# EAGLE board Mk4 Final Panel (EAGLE 9.0.1), part 2 of 18
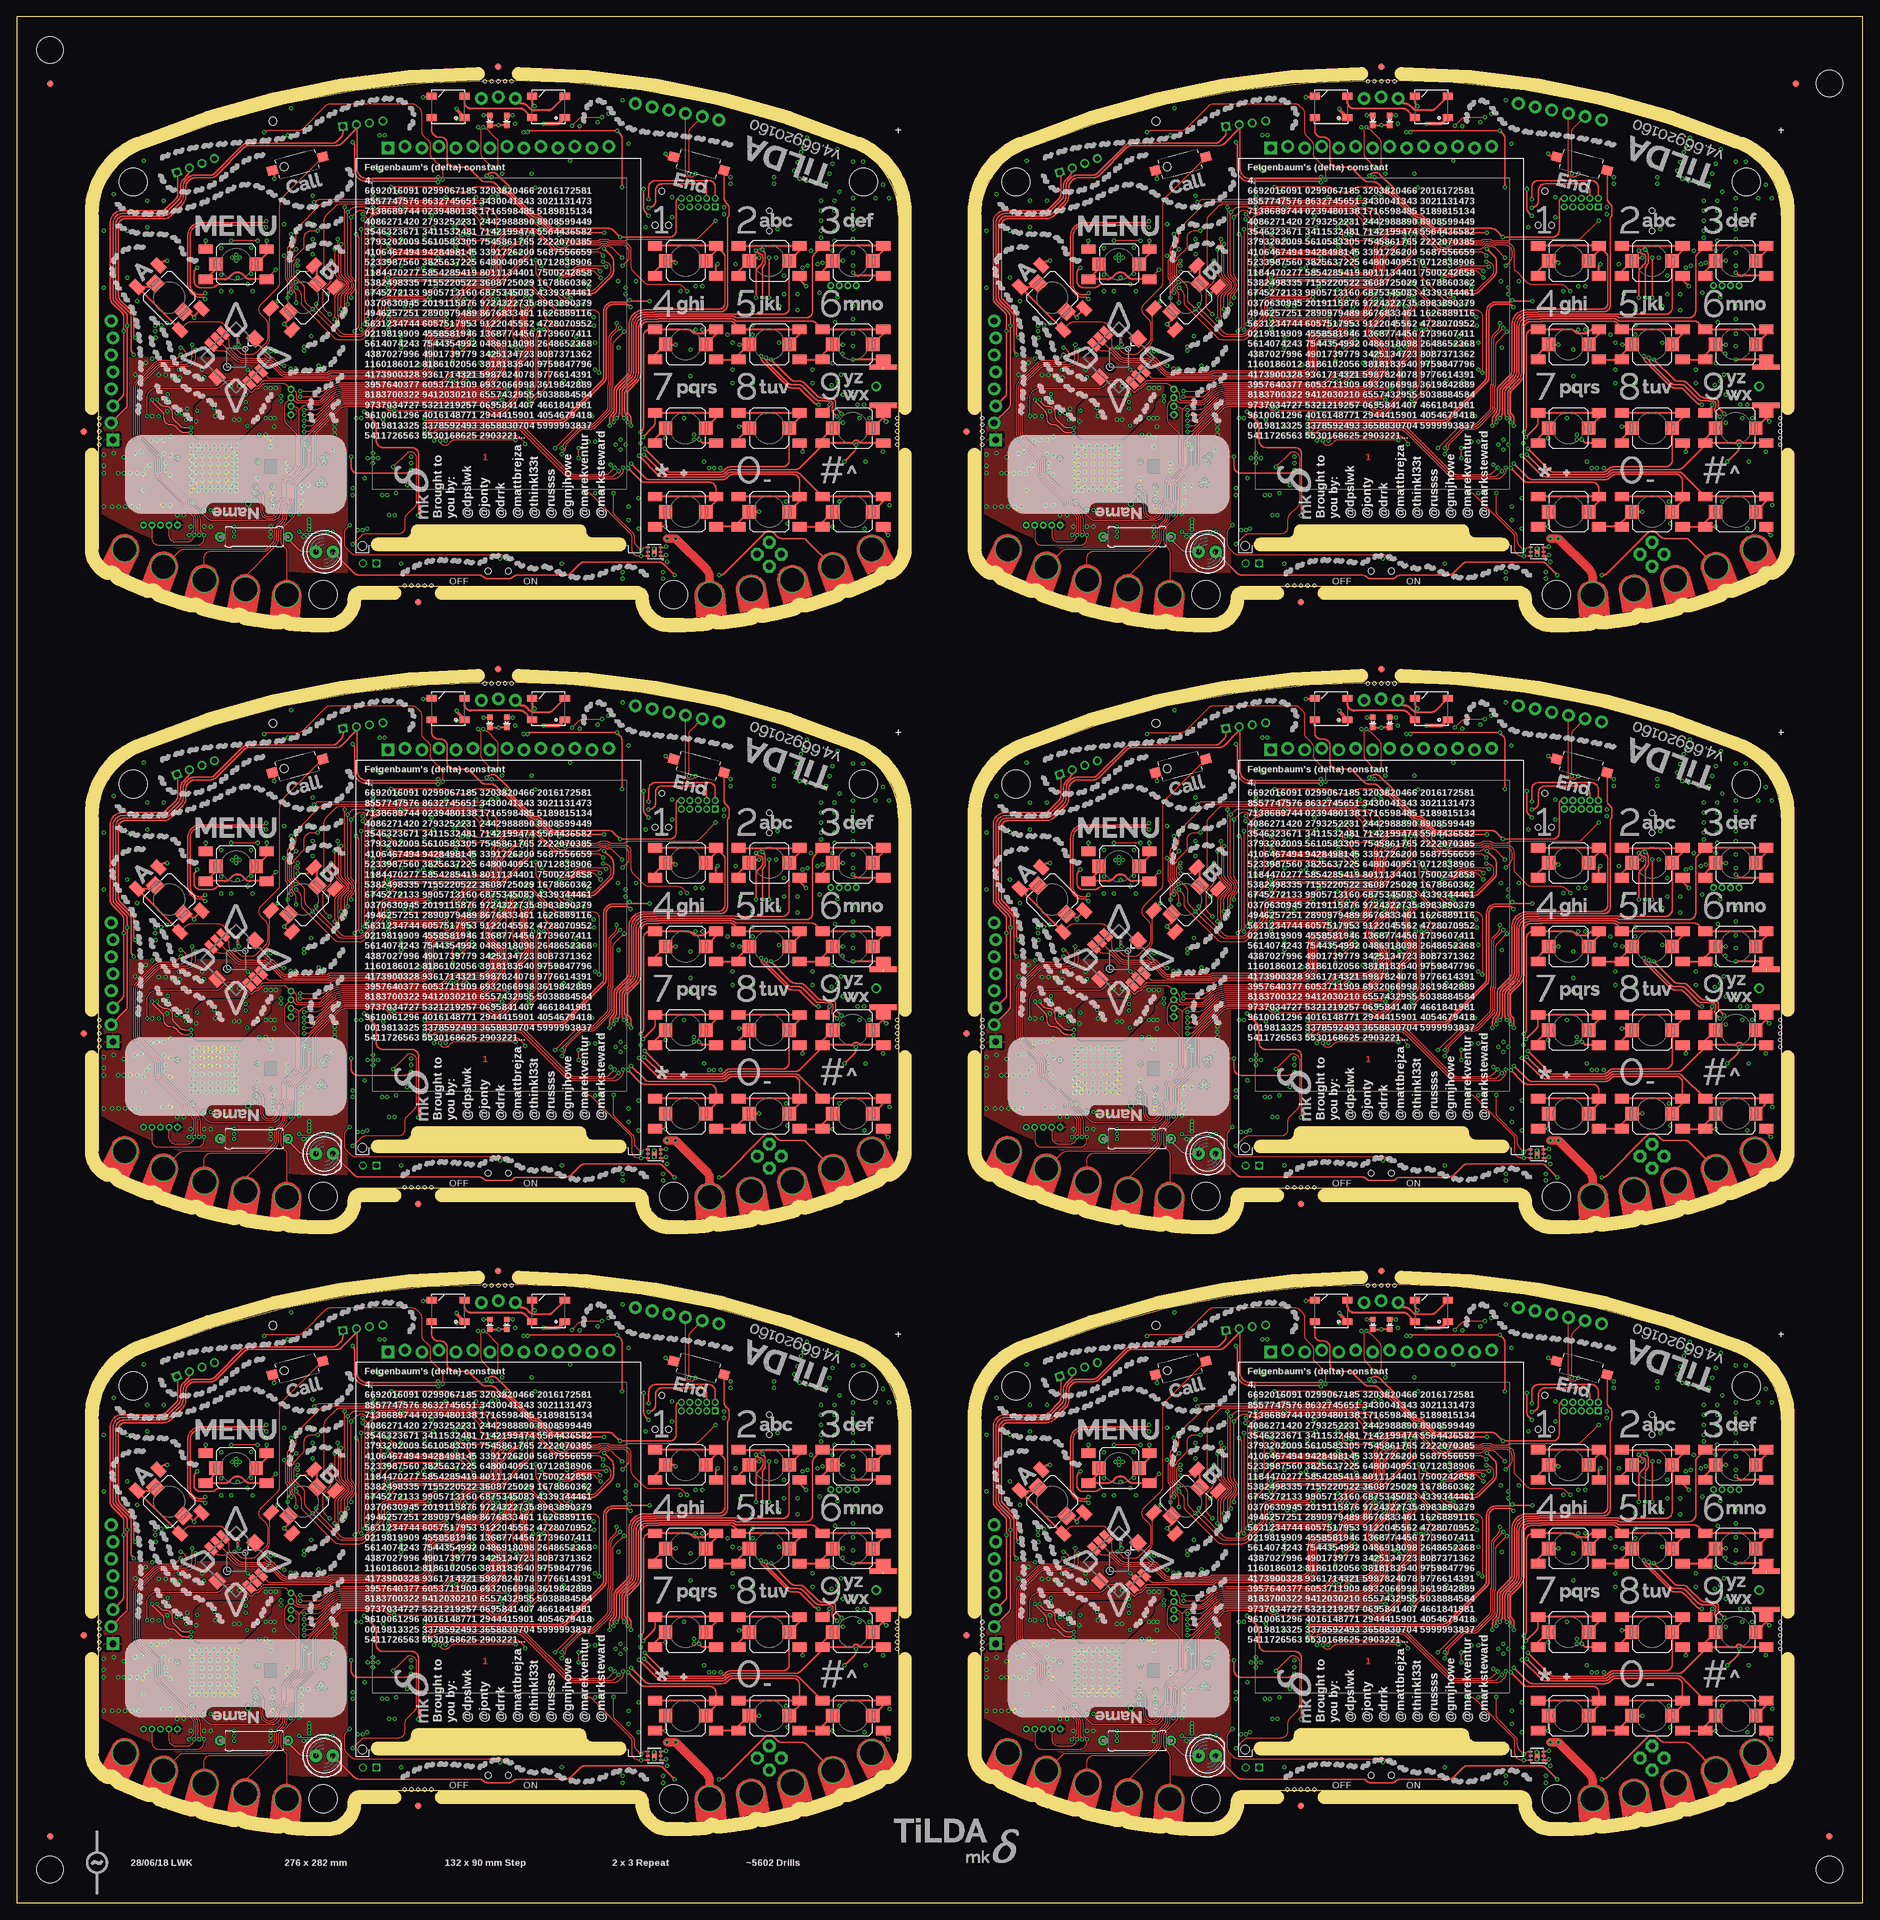
[diagram p0: board, top side]
## Placement (x,y rotation side) (continued)
C527  0402/100n/10V/X5R  [C0402-SMALLER]  36.75,217.75 180 bottom
C528  0402/100n/10V/X5R  [C0402-SMALLER]  37,210.75 180 bottom
C529  0402/100n/10V/X5R  [C0402-SMALLER]  29,207 270 bottom
C530  0402/12p/50V/C0G  [C0402-SMALLER]  22.95,212.25 270 bottom
C531  0402/12p/50V/C0G  [C0402-SMALLER]  22.95,210.25 90 bottom
C532  0402/12p/50V/C0G  [C0402-SMALLER]  39.75,213.75 270 bottom
C533  0402/12p/50V/C0G  [C0402-SMALLER]  39.75,215.75 90 bottom
C534  0402/100n/10V/X5R  [C0402-SMALLER]  87,211.5 180 bottom
C535  0402/120p/50V/C0G  [C0402-SMALLER]  39.95,206.35 270 bottom
C536  0402/100n/10V/X5R  [C0402-SMALLER]  96.25,202 90 bottom
C537  0402/220n/6V3/X5R  [C0402-SMALLER]  35.95,252.4 180 bottom
C538  0402/220n/6V3/X5R  [C0402-SMALLER]  36,249.5 180 bottom
C539  0402/100n/10V/X5R  [C0402-SMALLER]  91.35,198.5 270 bottom
C540  0402/100n/10V/X5R  [C0402-SMALLER]  98,201.5 270 bottom
C541  0603/4u7/10V/X5R  [C0603K-SMALL]  195.75,232.25 180 bottom
C542  0402/100n/10V/X5R  [C0402-SMALLER]  195.75,231 180 bottom
C543  0603/1u/6V3/X5R  [C0603K-SMALL]  198.75,267.5 270 bottom
C544  0402/100n/10V/X5R  [C0402-SMALLER]  213.75,238.25 0 bottom
C545  0402/100n/10V/X5R  [C0402-SMALLER]  206.5,264.75 270 bottom
C546  0402/100n/10V/X5R  [C0402-SMALLER]  213.5,260.5 0 bottom
C547  0402/100n/10V/X5R  [C0402-SMALLER]  222.45,262.5 270 bottom
C548  0603/2u2/6V3/X5R  [C0603K-SMALL]  215,243.5 0 bottom
C549  0603/1u/6V3/X5R  [C0603K-SMALL]  215,242.25 0 bottom
C550  0402/100n/10V/X5R  [C0402-SMALLER]  205.75,255 270 bottom
C551  0402/100n/10V/X5R  [C0402-SMALLER]  213.5,245.25 90 bottom
C552  0402/100n/10V/X5R  [C0402-SMALLER]  194.75,244.6 270 bottom
C553  0402/100n/10V/X5R  [C0402-SMALLER]  203.5,254.25 0 bottom
C554  0402/100n/10V/X5R  [C0402-SMALLER]  204,235.5 180 bottom
C555  0402/100n/10V/X5R  [C0402-SMALLER]  206.75,235.5 180 bottom
C556  0603/1u/6V3/X5R  [C0603K-SMALL]  206.75,233.75 180 bottom
C557  0402/100n/10V/X5R  [C0402-SMALLER]  202.5,256.25 0 bottom
C558  0402/12p/50V/C0G  [C0402-SMALLER]  206.25,256.45 180 bottom
C559  0402/12p/50V/C0G  [C0402-SMALLER]  208.25,256.45 0 bottom
C560  0402/12p/50V/C0G  [C0402-SMALLER]  197.4,255 180 bottom
C561  0402/12p/50V/C0G  [C0402-SMALLER]  199.4,255 0 bottom
C562  0603/3n3/50V/X7R  [C0603K-SMALL]  220.5,269.5 90 bottom
C563  0402/100n/10V/X5R  [C0402-SMALLER]  218,217.75 180 bottom
C564  0402/100n/10V/X5R  [C0402-SMALLER]  188.25,253.5 0 bottom
C565  0402/100n/10V/X5R  [C0402-SMALLER]  188.25,248.75 0 bottom
C566  0402/100n/10V/X5R  [C0402-SMALLER]  173.25,246.25 180 bottom
C567  0402/100n/10V/X5R  [C0402-SMALLER]  188.25,244.75 0 bottom
C568  0402/100n/10V/X5R  [C0402-SMALLER]  188.25,255 0 bottom
C569  0402/100n/10V/X5R  [C0402-SMALLER]  173.25,251 180 bottom
C570  0402/100n/10V/X5R  [C0402-SMALLER]  188.25,234.25 0 bottom
C571  1411/100u/10V/Tant  [CT3528]  240.25,217.5 90 bottom
C572  0603/4u7/10V/X5R  [C0603K-SMALL]  245.5,219.75 180 bottom
C573  0402/100n/10V/X5R  [C0402-SMALLER]  247.25,222.75 180 bottom
C574  1411/100u/10V/Tant  [CT3528]  236.5,217.5 90 bottom
C575  0805/10u/10V/X5R  [C0805-N]  176.45,210.75 0 bottom
C576  0603/4u7/10V/X5R  [C0603K-SMALL]  177.45,206.35 90 bottom
C577  0805/10u/10V/X5R  [C0805-N]  176.45,208.75 0 bottom
C578  0805/10u/10V/X5R  [C0805-N]  225,207.75 270 bottom
C579  0805/10u/10V/X5R  [C0805-N]  187.75,212 180 bottom
C580  0805/10u/10V/X5R  [C0805-N]  180.75,218.5 90 bottom
C581  0603/4u7/10V/X5R  [C0603K-SMALL]  180.2,216.25 180 bottom
C582  0402/47n/10V/X5R  [C0402-SMALLER]  180.75,215.25 0 bottom
C583  0805/10u/10V/X5R  [C0805-N]  184.25,211 0 bottom
C584  0603/1u/6V3/X5R  [C0603K-SMALL]  181.75,220.75 0 bottom
C585  1210/100u/6V3/X5R  [C1210K]  170,229.25 270 bottom
C586  1210/100u/6V3/X5R  [C1210K]  167.25,205 0 bottom
C587  0402/22p/10V/C0G  [C0402-SMALLER]  245.5,244.5 270 bottom
C588  0402/22p/10V/C0G  [C0402-SMALLER]  242.5,244.5 270 bottom
C589  0402/22p/10V/C0G  [C0402-SMALLER]  240.5,244.5 270 bottom
C590  0402/100n/10V/X5R  [C0402-SMALLER]  259.25,206.25 180 bottom
C591  0402/33p/50V/C0G  [C0402-SMALLER]  242,258 0 bottom
C592  0402/10p/50V/C0G  [C0402-SMALLER]  240,257 0 bottom
C593  0402/33p/50V/C0G  [C0402-SMALLER]  244,258 180 bottom
C594  0402/33p/50V/C0G  [C0402-SMALLER]  240,258 0 bottom
C595  0402/10p/50V/C0G  [C0402-SMALLER]  242,257 0 bottom
C596  0402/10p/50V/C0G  [C0402-SMALLER]  244,257 180 bottom
C597  0402/33p/50V/C0G  [C0402-SMALLER]  233.5,238.5 90 bottom
C598  0402/10p/50V/C0G  [C0402-SMALLER]  234.5,240.5 90 bottom
C599  0402/33p/50V/C0G  [C0402-SMALLER]  233.5,236.5 270 bottom
C600  0402/33p/50V/C0G  [C0402-SMALLER]  233.5,240.5 90 bottom
C601  0402/10p/50V/C0G  [C0402-SMALLER]  234.5,238.5 90 bottom
C602  0402/10p/50V/C0G  [C0402-SMALLER]  234.5,236.5 270 bottom
C603  0402/100n/10V/X5R  [C0402-SMALLER]  223.25,242.45 180 bottom
C604  0402/100n/10V/X5R  [C0402-SMALLER]  238.75,253 270 bottom
C605  [C0402-SMALLER]  255.45,230.1 270 bottom
C606  [C0402-SMALLER]  256,227.5 180 bottom
C607  [C0402-SMALLER]  254.75,257 20 bottom
C608  [C0402-SMALLER]  255.75,259.75 20 bottom
C609  [C0402-SMALLER]  149.75,215.5 270 bottom
C610  [C0402-SMALLER]  146.5,215.5 270 bottom
C611  0402/1n/10V/X5R  [C0402-SMALLER]  225.5,249.75 0 bottom
C612  0402/2n2/10V/X5R  [C0402-SMALLER]  223.5,249.75 0 bottom
C613  0402/100n/10V/X5R  [C0402-SMALLER]  228,247 0 bottom
C614  0402/100n/10V/X5R  [C0402-SMALLER]  228,246 0 bottom
C615  0402/220n/6V3/X5R  [C0402-SMALLER]  167.95,250.45 180 bottom
C616  0402/220n/6V3/X5R  [C0402-SMALLER]  167.95,251.45 180 bottom
C617  0402/100n/10V/X5R  [C0402-SMALLER]  165.05,241.45 270 bottom
C618  0402/100n/10V/X5R  [C0402-SMALLER]  161,229.25 180 bottom
C619  0402/100n/10V/X5R  [C0402-SMALLER]  152.25,221 270 bottom
C620  0402/100n/10V/X5R  [C0402-SMALLER]  155.5,215.25 0 bottom
C621  0805/10u/10V/X5R  [C0805-N]  155.85,226.1 90 bottom
C622  0402/100n/10V/X5R  [C0402-SMALLER]  158.1,222.25 90 bottom
C623  0402/100n/10V/X5R  [C0402-SMALLER]  168.75,218.75 180 bottom
C624  0603/1u/6V3/X5R  [C0603K-SMALL]  155.5,221.75 0 bottom
C625  0603/22u/4V/X5R  [C0603K-SMALL]  165.25,224.75 90 bottom
C626  0603/22u/4V/X5R  [C0603K-SMALL]  164,224.75 90 bottom
C627  0805/10u/10V/X5R  [C0805-N]  170.25,224 270 bottom
C628  0402/4u7/6V3/X5R  [C0402-SMALLER]  159.6,222 90 bottom
C629  0402/4u7/6V3/X5R  [C0402-SMALLER]  165.2,220.5 180 bottom
C630  0402/4u7/6V3/X5R  [C0402-SMALLER]  160.9,222.2 90 bottom
C631  0402/100n/10V/X5R  [C0402-SMALLER]  160,207 270 bottom
C632  0402/100n/10V/X5R  [C0402-SMALLER]  168,214.25 270 bottom
C633  0805/10u/10V/X5R  [C0805-N]  168.5,220.75 180 bottom
C634  0402/100n/10V/X5R  [C0402-SMALLER]  155.5,214.25 0 bottom
C635  0402/100n/10V/X5R  [C0402-SMALLER]  168.75,217.75 180 bottom
C636  0402/100n/10V/X5R  [C0402-SMALLER]  169,210.75 180 bottom
C637  0402/100n/10V/X5R  [C0402-SMALLER]  161,207 270 bottom
C638  0402/12p/50V/C0G  [C0402-SMALLER]  154.95,212.25 270 bottom
C639  0402/12p/50V/C0G  [C0402-SMALLER]  154.95,210.25 90 bottom
C640  0402/12p/50V/C0G  [C0402-SMALLER]  171.75,213.75 270 bottom
C641  0402/12p/50V/C0G  [C0402-SMALLER]  171.75,215.75 90 bottom
C642  0402/100n/10V/X5R  [C0402-SMALLER]  219,211.5 180 bottom
C643  0402/120p/50V/C0G  [C0402-SMALLER]  171.95,206.35 270 bottom
C644  0402/100n/10V/X5R  [C0402-SMALLER]  228.25,202 90 bottom
C645  0402/220n/6V3/X5R  [C0402-SMALLER]  167.95,252.4 180 bottom
C646  0402/220n/6V3/X5R  [C0402-SMALLER]  168,249.5 180 bottom
C647  0402/100n/10V/X5R  [C0402-SMALLER]  223.35,198.5 270 bottom
C648  0402/100n/10V/X5R  [C0402-SMALLER]  230,201.5 270 bottom
D1  MMSZ5231BT1G  [SOD123]  111,37.5 90 bottom
D2  LXES15AAA1-153  [R0402-SMALLER]  124,46.5 0 bottom
D3  MMSZ5231BT1G  [SOD123]  243,37.5 90 bottom
D4  LXES15AAA1-153  [R0402-SMALLER]  256,46.5 0 bottom
D5  MMSZ5231BT1G  [SOD123]  111,127.5 90 bottom
D6  LXES15AAA1-153  [R0402-SMALLER]  124,136.5 0 bottom
D7  MMSZ5231BT1G  [SOD123]  243,127.5 90 bottom
D8  LXES15AAA1-153  [R0402-SMALLER]  256,136.5 0 bottom
D9  MMSZ5231BT1G  [SOD123]  111,217.5 90 bottom
D10  LXES15AAA1-153  [R0402-SMALLER]  124,226.5 0 bottom
D11  MMSZ5231BT1G  [SOD123]  243,217.5 90 bottom
D12  LXES15AAA1-153  [R0402-SMALLER]  256,226.5 0 bottom
E$1  [FIDUCIAL-1X2.5-STOP]  271,10 0 top
E$2  [FIDUCIAL-1X2.5-STOP]  266,272 0 top
E$3  [FIDUCIAL-1X2.5-STOP]  5,272 0 top
E$4  [TILDA_ARTWORK]  131,9 0 top
E$5  [EMFLOGO1]  12,6 0 top
E$6  [FIDUCIAL-1X2.5-STOP]  5,10 0 bottom
E$7  [FIDUCIAL-1X2.5-STOP]  5,272 0 bottom
E$8  [FIDUCIAL-1X2.5-STOP]  266,272 0 bottom
E$9  [FIDUCIAL-1X2.5-STOP]  271,10 0 bottom
E$10  [FIDUCIAL-1X2.5-STOP]  5,10 0 top
E$11  [TILDA_ARTWORK_MKDELTA]  142,6 0 top
FID1  FIDUCIAL1X2.5-STOP  [FIDUCIAL-1X2.5-STOP]  60,14.5 270 top
FID2  FIDUCIAL1X2.5-STOP  [FIDUCIAL-1X2.5-STOP]  10,40 180 bottom
FID3  FIDUCIAL1X2.5-STOP  [FIDUCIAL-1X2.5-STOP]  72,94.5 180 top
FID4  FIDUCIAL1X2.5-STOP  [FIDUCIAL-1X2.5-STOP]  72,94.5 180 bottom
FID5  FIDUCIAL1X2.5-STOP  [FIDUCIAL-1X2.5-STOP]  10,40 180 top
FID6  FIDUCIAL1X2.5-STOP  [FIDUCIAL-1X2.5-STOP]  60,14.5 270 bottom
FID7  FIDUCIAL1X2.5-STOP  [FIDUCIAL-1X2.5-STOP]  192,14.5 270 top
FID8  FIDUCIAL1X2.5-STOP  [FIDUCIAL-1X2.5-STOP]  204,94.5 180 bottom
FID9  FIDUCIAL1X2.5-STOP  [FIDUCIAL-1X2.5-STOP]  204,94.5 180 top
FID10  FIDUCIAL1X2.5-STOP  [FIDUCIAL-1X2.5-STOP]  192,14.5 270 bottom
FID11  FIDUCIAL1X2.5-STOP  [FIDUCIAL-1X2.5-STOP]  142,40 180 bottom
FID12  FIDUCIAL1X2.5-STOP  [FIDUCIAL-1X2.5-STOP]  142,40 180 top
FID13  FIDUCIAL1X2.5-STOP  [FIDUCIAL-1X2.5-STOP]  60,104.5 270 top
FID14  FIDUCIAL1X2.5-STOP  [FIDUCIAL-1X2.5-STOP]  72,184.5 180 bottom
FID15  FIDUCIAL1X2.5-STOP  [FIDUCIAL-1X2.5-STOP]  72,184.5 180 top
FID16  FIDUCIAL1X2.5-STOP  [FIDUCIAL-1X2.5-STOP]  60,104.5 270 bottom
FID17  FIDUCIAL1X2.5-STOP  [FIDUCIAL-1X2.5-STOP]  10,130 180 bottom
FID18  FIDUCIAL1X2.5-STOP  [FIDUCIAL-1X2.5-STOP]  10,130 180 top
FID19  FIDUCIAL1X2.5-STOP  [FIDUCIAL-1X2.5-STOP]  192,104.5 270 top
FID20  FIDUCIAL1X2.5-STOP  [FIDUCIAL-1X2.5-STOP]  204,184.5 180 bottom
FID21  FIDUCIAL1X2.5-STOP  [FIDUCIAL-1X2.5-STOP]  204,184.5 180 top
FID22  FIDUCIAL1X2.5-STOP  [FIDUCIAL-1X2.5-STOP]  192,104.5 270 bottom
FID23  FIDUCIAL1X2.5-STOP  [FIDUCIAL-1X2.5-STOP]  142,130 180 bottom
FID24  FIDUCIAL1X2.5-STOP  [FIDUCIAL-1X2.5-STOP]  142,130 180 top
FID25  FIDUCIAL1X2.5-STOP  [FIDUCIAL-1X2.5-STOP]  60,194.5 270 top
FID26  FIDUCIAL1X2.5-STOP  [FIDUCIAL-1X2.5-STOP]  72,274.5 180 bottom
FID27  FIDUCIAL1X2.5-STOP  [FIDUCIAL-1X2.5-STOP]  72,274.5 180 top
FID28  FIDUCIAL1X2.5-STOP  [FIDUCIAL-1X2.5-STOP]  60,194.5 270 bottom
FID29  FIDUCIAL1X2.5-STOP  [FIDUCIAL-1X2.5-STOP]  10,220 180 bottom
FID30  FIDUCIAL1X2.5-STOP  [FIDUCIAL-1X2.5-STOP]  10,220 180 top
FID31  FIDUCIAL1X2.5-STOP  [FIDUCIAL-1X2.5-STOP]  192,194.5 270 top
FID32  FIDUCIAL1X2.5-STOP  [FIDUCIAL-1X2.5-STOP]  204,274.5 180 bottom
FID33  FIDUCIAL1X2.5-STOP  [FIDUCIAL-1X2.5-STOP]  204,274.5 180 top
FID34  FIDUCIAL1X2.5-STOP  [FIDUCIAL-1X2.5-STOP]  192,194.5 270 bottom
FID35  FIDUCIAL1X2.5-STOP  [FIDUCIAL-1X2.5-STOP]  142,220 180 bottom
FID36  FIDUCIAL1X2.5-STOP  [FIDUCIAL-1X2.5-STOP]  142,220 180 top
FL1  DEA202450BT-1294C1-H  [DEA202450BT]  23,37.75 270 bottom
FL2  DEA202450BT-1294C1-H  [DEA202450BT]  155,37.75 270 bottom
FL3  DEA202450BT-1294C1-H  [DEA202450BT]  23,127.75 270 bottom
FL4  DEA202450BT-1294C1-H  [DEA202450BT]  155,127.75 270 bottom
FL5  DEA202450BT-1294C1-H  [DEA202450BT]  23,217.75 270 bottom
FL6  DEA202450BT-1294C1-H  [DEA202450BT]  155,217.75 270 bottom
IC1  MSP432E401  [QFP128-0.4]  72,65 0 bottom
IC2  AS4C4M16SA-7TCN  [TSOP54-400]  48.7,64.7 270 bottom
IC3  HDC2080  [SHT2X]  94.1,19 90 bottom
IC4  TCA9555RGER  [QFN-24]  90.25,38 270 bottom
IC5  SIM800C24 S2-10686-Z1L09  [SIM800C]  112.5,53 180 bottom
IC6  MX25R8035FM1IH1  [SO08-EIAJ]  84.7,55.15 270 bottom
IC7  TPD3E001DRL  [DRL-5]  88.25,85.5 90 bottom
IC8  BQ25601  [QFN-24]  53.25,36 270 bottom
IC9  TPS62822DLCR  [VSON-HR]  43.7,26.1 180 bottom
IC10  TPD3E001DRL  [DRL-5]  121.25,42.4 270 bottom
IC11  TLV9002IDGK  [VSSOP8]  93,66 180 bottom
IC12  SN74HC4066D  [SO14]  103,66.5 0 bottom
IC13  TPA2006D1  [VSON-8]  32.8,65.95 270 bottom
IC14  MX25R1635FM1IL0  [SO08-EIAJ]  25.75,52.25 90 bottom
IC15  CC3120R  [VQFN-64]  29.5,34.5 0 bottom
IC16  TMP102  [SOT563]  87,33 270 bottom
IC17  OPT3001  [USON-6]  95.3,22 180 top
IC18  DRV5055  [SOT23-3]  100.25,21.25 180 bottom
IC19  AS4C4M16SA-7TCN  [TSOP54-400]  180.7,64.7 270 bottom
IC20  MSP432E401  [QFP128-0.4]  204,65 0 bottom
IC21  SIM800C24 S2-10686-Z1L09  [SIM800C]  244.5,53 180 bottom
IC22  MX25R8035FM1IH1  [SO08-EIAJ]  216.7,55.15 270 bottom
IC23  TPD3E001DRL  [DRL-5]  220.25,85.5 90 bottom
IC24  BQ25601  [QFN-24]  185.25,36 270 bottom
IC25  TPD3E001DRL  [DRL-5]  253.25,42.4 270 bottom
IC26  TLV9002IDGK  [VSSOP8]  225,66 180 bottom
IC27  SN74HC4066D  [SO14]  235,66.5 0 bottom
IC28  TPA2006D1  [VSON-8]  164.8,65.95 270 bottom
IC29  CC3120R  [VQFN-64]  161.5,34.5 0 bottom
IC30  MX25R1635FM1IL0  [SO08-EIAJ]  157.75,52.25 90 bottom
IC31  TCA9555RGER  [QFN-24]  222.25,38 270 bottom
IC32  TMP102  [SOT563]  219,33 270 bottom
IC33  TPS62822DLCR  [VSON-HR]  175.7,26.1 180 bottom
IC34  OPT3001  [USON-6]  227.3,22 180 top
IC35  HDC2080  [SHT2X]  226.1,19 90 bottom
IC36  DRV5055  [SOT23-3]  232.25,21.25 180 bottom
IC37  AS4C4M16SA-7TCN  [TSOP54-400]  48.7,154.7 270 bottom
IC38  MSP432E401  [QFP128-0.4]  72,155 0 bottom
IC39  SIM800C24 S2-10686-Z1L09  [SIM800C]  112.5,143 180 bottom
IC40  MX25R8035FM1IH1  [SO08-EIAJ]  84.7,145.15 270 bottom
IC41  TPD3E001DRL  [DRL-5]  88.25,175.5 90 bottom
IC42  BQ25601  [QFN-24]  53.25,126 270 bottom
IC43  TPD3E001DRL  [DRL-5]  121.25,132.4 270 bottom
IC44  TLV9002IDGK  [VSSOP8]  93,156 180 bottom
IC45  SN74HC4066D  [SO14]  103,156.5 0 bottom
IC46  TPA2006D1  [VSON-8]  32.8,155.95 270 bottom
IC47  CC3120R  [VQFN-64]  29.5,124.5 0 bottom
IC48  MX25R1635FM1IL0  [SO08-EIAJ]  25.75,142.25 90 bottom
IC49  TCA9555RGER  [QFN-24]  90.25,128 270 bottom
IC50  TMP102  [SOT563]  87,123 270 bottom
IC51  TPS62822DLCR  [VSON-HR]  43.7,116.1 180 bottom
IC52  OPT3001  [USON-6]  95.3,112 180 top
IC53  HDC2080  [SHT2X]  94.1,109 90 bottom
IC54  DRV5055  [SOT23-3]  100.25,111.25 180 bottom
IC55  AS4C4M16SA-7TCN  [TSOP54-400]  180.7,154.7 270 bottom
IC56  MSP432E401  [QFP128-0.4]  204,155 0 bottom
IC57  SIM800C24 S2-10686-Z1L09  [SIM800C]  244.5,143 180 bottom
IC58  MX25R8035FM1IH1  [SO08-EIAJ]  216.7,145.15 270 bottom
IC59  TPD3E001DRL  [DRL-5]  220.25,175.5 90 bottom
IC60  BQ25601  [QFN-24]  185.25,126 270 bottom
IC61  TPD3E001DRL  [DRL-5]  253.25,132.4 270 bottom
IC62  TLV9002IDGK  [VSSOP8]  225,156 180 bottom
IC63  SN74HC4066D  [SO14]  235,156.5 0 bottom
IC64  TPA2006D1  [VSON-8]  164.8,155.95 270 bottom
IC65  CC3120R  [VQFN-64]  161.5,124.5 0 bottom
IC66  MX25R1635FM1IL0  [SO08-EIAJ]  157.75,142.25 90 bottom
IC67  TCA9555RGER  [QFN-24]  222.25,128 270 bottom
IC68  TMP102  [SOT563]  219,123 270 bottom
IC69  TPS62822DLCR  [VSON-HR]  175.7,116.1 180 bottom
IC70  OPT3001  [USON-6]  227.3,112 180 top
IC71  HDC2080  [SHT2X]  226.1,109 90 bottom
IC72  DRV5055  [SOT23-3]  232.25,111.25 180 bottom
IC73  AS4C4M16SA-7TCN  [TSOP54-400]  48.7,244.7 270 bottom
IC74  MSP432E401  [QFP128-0.4]  72,245 0 bottom
IC75  SIM800C24 S2-10686-Z1L09  [SIM800C]  112.5,233 180 bottom
IC76  MX25R8035FM1IH1  [SO08-EIAJ]  84.7,235.15 270 bottom
IC77  TPD3E001DRL  [DRL-5]  88.25,265.5 90 bottom
IC78  BQ25601  [QFN-24]  53.25,216 270 bottom
IC79  TPD3E001DRL  [DRL-5]  121.25,222.4 270 bottom
IC80  TLV9002IDGK  [VSSOP8]  93,246 180 bottom
IC81  SN74HC4066D  [SO14]  103,246.5 0 bottom
IC82  TPA2006D1  [VSON-8]  32.8,245.95 270 bottom
IC83  CC3120R  [VQFN-64]  29.5,214.5 0 bottom
IC84  MX25R1635FM1IL0  [SO08-EIAJ]  25.75,232.25 90 bottom
IC85  TCA9555RGER  [QFN-24]  90.25,218 270 bottom
IC86  TMP102  [SOT563]  87,213 270 bottom
IC87  TPS62822DLCR  [VSON-HR]  43.7,206.1 180 bottom
IC88  OPT3001  [USON-6]  95.3,202 180 top
IC89  HDC2080  [SHT2X]  94.1,199 90 bottom
IC90  DRV5055  [SOT23-3]  100.25,201.25 180 bottom
IC91  AS4C4M16SA-7TCN  [TSOP54-400]  180.7,244.7 270 bottom
IC92  MSP432E401  [QFP128-0.4]  204,245 0 bottom
IC93  SIM800C24 S2-10686-Z1L09  [SIM800C]  244.5,233 180 bottom
IC94  MX25R8035FM1IH1  [SO08-EIAJ]  216.7,235.15 270 bottom
IC95  TPD3E001DRL  [DRL-5]  220.25,265.5 90 bottom
IC96  BQ25601  [QFN-24]  185.25,216 270 bottom
IC97  TPD3E001DRL  [DRL-5]  253.25,222.4 270 bottom
IC98  TLV9002IDGK  [VSSOP8]  225,246 180 bottom
IC99  SN74HC4066D  [SO14]  235,246.5 0 bottom
IC100  TPA2006D1  [VSON-8]  164.8,245.95 270 bottom
IC101  CC3120R  [VQFN-64]  161.5,214.5 0 bottom
IC102  MX25R1635FM1IL0  [SO08-EIAJ]  157.75,232.25 90 bottom
IC103  TCA9555RGER  [QFN-24]  222.25,218 270 bottom
IC104  TMP102  [SOT563]  219,213 270 bottom
IC105  TPS62822DLCR  [VSON-HR]  175.7,206.1 180 bottom
IC106  OPT3001  [USON-6]  227.3,202 180 top
IC107  HDC2080  [SHT2X]  226.1,199 90 bottom
IC108  DRV5055  [SOT23-3]  232.25,201.25 180 bottom
J1  78723-1001  [MSIM-MOLEX-LWK]  129.5,34.25 180 bottom
J2  ER-CON50HT-1  [FH12-50S-0.5SH]  72,45.5 0 bottom
J3  2x5 1.27mm  [PINHEAD_2X05_127]  101.9,74.2 0 bottom
J4  GSM-COIL-ANT  [GSM-ANTENNA]  128.5,46.75 0 bottom
J5  S2B-PH-SM4-TB(LF)(SN)  [JST-2-SMD]  100.8,27.8 90 bottom
J6  ER-CON50HT-1  [FH12-50S-0.5SH]  204,45.5 0 bottom
J7  SMA-142-0711-821/826  [J502-ND-142-0711-821/826-LWK1]  131.8,46.75 0 bottom
J8  H4P-SMD-2.0  [HW4-2.0-SWD-COMBINED]  51.75,86 172 bottom
J9  PJ-393-A  [PJ-393-A]  37.75,88.6 256 bottom
J10  H4P-SMD-2.0  [HW4-2.0-SWD-COMBINED]  26.75,79.75 160 bottom
J11  M02X2  [2X2]  112.5,21.65 315 bottom
J12  S2B-PH-SM4-TB(LF)(SN)  [JST-2-SMD]  232.8,27.8 90 bottom
J13  2x5 1.27mm  [PINHEAD_2X05_127]  233.9,74.2 0 bottom
J14  78723-1001  [MSIM-MOLEX-LWK]  261.5,34.25 180 bottom
J15  GSM-COIL-ANT  [GSM-ANTENNA]  260.5,46.75 0 bottom
J16  H4P-SMD-2.0  [HW4-2.0-SWD-COMBINED]  158.75,79.75 160 bottom
J17  PJ-393-A  [PJ-393-A]  169.75,88.6 256 bottom
J18  H4P-SMD-2.0  [HW4-2.0-SWD-COMBINED]  183.75,86 172 bottom
J19  SMA-142-0711-821/826  [J502-ND-142-0711-821/826-LWK1]  263.8,46.75 0 bottom
J20  M02X2  [2X2]  244.5,21.65 315 bottom
J21  ER-CON50HT-1  [FH12-50S-0.5SH]  72,135.5 0 bottom
J22  S2B-PH-SM4-TB(LF)(SN)  [JST-2-SMD]  100.8,117.8 90 bottom
J23  2x5 1.27mm  [PINHEAD_2X05_127]  101.9,164.2 0 bottom
J24  78723-1001  [MSIM-MOLEX-LWK]  129.5,124.25 180 bottom
J25  GSM-COIL-ANT  [GSM-ANTENNA]  128.5,136.75 0 bottom
J26  H4P-SMD-2.0  [HW4-2.0-SWD-COMBINED]  26.75,169.75 160 bottom
J27  PJ-393-A  [PJ-393-A]  37.75,178.6 256 bottom
J28  H4P-SMD-2.0  [HW4-2.0-SWD-COMBINED]  51.75,176 172 bottom
J29  SMA-142-0711-821/826  [J502-ND-142-0711-821/826-LWK1]  131.8,136.75 0 bottom
J30  M02X2  [2X2]  112.5,111.65 315 bottom
J31  ER-CON50HT-1  [FH12-50S-0.5SH]  204,135.5 0 bottom
J32  S2B-PH-SM4-TB(LF)(SN)  [JST-2-SMD]  232.8,117.8 90 bottom
J33  2x5 1.27mm  [PINHEAD_2X05_127]  233.9,164.2 0 bottom
J34  78723-1001  [MSIM-MOLEX-LWK]  261.5,124.25 180 bottom
J35  GSM-COIL-ANT  [GSM-ANTENNA]  260.5,136.75 0 bottom
J36  H4P-SMD-2.0  [HW4-2.0-SWD-COMBINED]  158.75,169.75 160 bottom
J37  PJ-393-A  [PJ-393-A]  169.75,178.6 256 bottom
J38  H4P-SMD-2.0  [HW4-2.0-SWD-COMBINED]  183.75,176 172 bottom
J39  SMA-142-0711-821/826  [J502-ND-142-0711-821/826-LWK1]  263.8,136.75 0 bottom
J40  M02X2  [2X2]  244.5,111.65 315 bottom
J41  ER-CON50HT-1  [FH12-50S-0.5SH]  72,225.5 0 bottom
J42  S2B-PH-SM4-TB(LF)(SN)  [JST-2-SMD]  100.8,207.8 90 bottom
J43  2x5 1.27mm  [PINHEAD_2X05_127]  101.9,254.2 0 bottom
J44  78723-1001  [MSIM-MOLEX-LWK]  129.5,214.25 180 bottom
J45  GSM-COIL-ANT  [GSM-ANTENNA]  128.5,226.75 0 bottom
J46  H4P-SMD-2.0  [HW4-2.0-SWD-COMBINED]  26.75,259.75 160 bottom
J47  PJ-393-A  [PJ-393-A]  37.75,268.6 256 bottom
J48  H4P-SMD-2.0  [HW4-2.0-SWD-COMBINED]  51.75,266 172 bottom
J49  SMA-142-0711-821/826  [J502-ND-142-0711-821/826-LWK1]  131.8,226.75 0 bottom
J50  M02X2  [2X2]  112.5,201.65 315 bottom
J51  ER-CON50HT-1  [FH12-50S-0.5SH]  204,225.5 0 bottom
J52  S2B-PH-SM4-TB(LF)(SN)  [JST-2-SMD]  232.8,207.8 90 bottom
J53  2x5 1.27mm  [PINHEAD_2X05_127]  233.9,254.2 0 bottom
J54  78723-1001  [MSIM-MOLEX-LWK]  261.5,214.25 180 bottom
J55  GSM-COIL-ANT  [GSM-ANTENNA]  260.5,226.75 0 bottom
J56  H4P-SMD-2.0  [HW4-2.0-SWD-COMBINED]  158.75,259.75 160 bottom
J57  PJ-393-A  [PJ-393-A]  169.75,268.6 256 bottom
J58  H4P-SMD-2.0  [HW4-2.0-SWD-COMBINED]  183.75,266 172 bottom
J59  SMA-142-0711-821/826  [J502-ND-142-0711-821/826-LWK1]  263.8,226.75 0 bottom
J60  M02X2  [2X2]  244.5,201.65 315 bottom
JP1  [1X05-1.27MM]  24.02,26 0 bottom
JP2  1x03  [1X03_LOCK]  69.46,89.9 180 bottom
JP3  1x02 2MM  [1X02_2MM]  53.75,20.25 0 bottom
JP4  TC2030-MCP-NL  [TC2030-MCP-NL]  96.45,75.9 270 bottom
JP5  [1X04-1.27MM]  41,42.5 90 bottom
JP6  [1X08_LOCK]  14.25,38.75 90 bottom
JP7  1x14  [1X14_LOCK]  55.49,82.5 180 bottom
JP8  [1X06]  92.5,89 191 bottom
JP9  1x04_1.27MM  [1X04-1.27MM]  125.5,61.8 0 bottom
JP10  TC2030-MCP-NL  [TC2030-MCP-NL]  228.45,75.9 270 bottom
JP11  1x03  [1X03_LOCK]  201.46,89.9 180 bottom
JP12  1x14  [1X14_LOCK]  187.49,82.5 180 bottom
JP13  1x02 2MM  [1X02_2MM]  185.75,20.25 0 bottom
JP14  1x04_1.27MM  [1X04-1.27MM]  257.5,61.8 0 bottom
JP15  [1X05-1.27MM]  156.02,26 0 bottom
JP16  [1X04-1.27MM]  173,42.5 90 bottom
JP17  [1X08_LOCK]  146.25,38.75 90 bottom
JP18  [1X06]  224.5,89 191 bottom
JP19  TC2030-MCP-NL  [TC2030-MCP-NL]  96.45,165.9 270 bottom
JP20  1x03  [1X03_LOCK]  69.46,179.9 180 bottom
JP21  1x14  [1X14_LOCK]  55.49,172.5 180 bottom
JP22  1x02 2MM  [1X02_2MM]  53.75,110.25 0 bottom
JP23  1x04_1.27MM  [1X04-1.27MM]  125.5,151.8 0 bottom
JP24  [1X05-1.27MM]  24.02,116 0 bottom
JP25  [1X04-1.27MM]  41,132.5 90 bottom
JP26  [1X08_LOCK]  14.25,128.75 90 bottom
JP27  [1X06]  92.5,179 191 bottom
JP28  TC2030-MCP-NL  [TC2030-MCP-NL]  228.45,165.9 270 bottom
JP29  1x03  [1X03_LOCK]  201.46,179.9 180 bottom
JP30  1x14  [1X14_LOCK]  187.49,172.5 180 bottom
JP31  1x02 2MM  [1X02_2MM]  185.75,110.25 0 bottom
JP32  1x04_1.27MM  [1X04-1.27MM]  257.5,151.8 0 bottom
JP33  [1X05-1.27MM]  156.02,116 0 bottom
JP34  [1X04-1.27MM]  173,132.5 90 bottom
JP35  [1X08_LOCK]  146.25,128.75 90 bottom
JP36  [1X06]  224.5,179 191 bottom
JP37  TC2030-MCP-NL  [TC2030-MCP-NL]  96.45,255.9 270 bottom
JP38  1x03  [1X03_LOCK]  69.46,269.9 180 bottom
JP39  1x14  [1X14_LOCK]  55.49,262.5 180 bottom
JP40  1x02 2MM  [1X02_2MM]  53.75,200.25 0 bottom
JP41  1x04_1.27MM  [1X04-1.27MM]  125.5,241.8 0 bottom
JP42  [1X05-1.27MM]  24.02,206 0 bottom
JP43  [1X04-1.27MM]  41,222.5 90 bottom
JP44  [1X08_LOCK]  14.25,218.75 90 bottom
JP45  [1X06]  92.5,269 191 bottom
JP46  TC2030-MCP-NL  [TC2030-MCP-NL]  228.45,255.9 270 bottom
JP47  1x03  [1X03_LOCK]  201.46,269.9 180 bottom
JP48  1x14  [1X14_LOCK]  187.49,262.5 180 bottom
JP49  1x02 2MM  [1X02_2MM]  185.75,200.25 0 bottom
JP50  1x04_1.27MM  [1X04-1.27MM]  257.5,241.8 0 bottom
JP51  [1X05-1.27MM]  156.02,206 0 bottom
JP52  [1X04-1.27MM]  173,222.5 90 bottom
JP53  [1X08_LOCK]  146.25,218.75 90 bottom
JP54  [1X06]  224.5,269 191 bottom
L1  SRN2512-2R2M  [1008]  48.25,31.75 270 bottom
L2  BLM18KG121TN1D  [WUERTH-0805]  78.5,84.75 0 bottom
L3  0402/0R/5%  [L0402]  124.5,49 270 bottom
L4  DFE201610E-R47M=P2  [0806]  47.5,27.15 90 bottom
L5  0402/0R/5%  [L0402]  122.75,78.5 110 bottom
L6  0402/0R/5%  [L0402]  16,35 0 bottom
L7  LQM2HPN2R2MG0L  [1008]  26.5,45.2 180 bottom
L8  LQM2HPN1R0MG0L  [1008]  29.5,45.5 270 bottom
L9  LQM2HPN2R2MG0L  [1008]  36,44 270 bottom
L10  BLM18KG121TN1D  [WUERTH-0805]  210.5,84.75 0 bottom
L11  DFE201610E-R47M=P2  [0806]  179.5,27.15 90 bottom
L12  SRN2512-2R2M  [1008]  180.25,31.75 270 bottom
L13  0402/0R/5%  [L0402]  256.5,49 270 bottom
L14  0402/0R/5%  [L0402]  254.75,78.5 110 bottom
L15  0402/0R/5%  [L0402]  148,35 0 bottom
L16  LQM2HPN2R2MG0L  [1008]  158.5,45.2 180 bottom
L17  LQM2HPN1R0MG0L  [1008]  161.5,45.5 270 bottom
L18  LQM2HPN2R2MG0L  [1008]  168,44 270 bottom
L19  BLM18KG121TN1D  [WUERTH-0805]  78.5,174.75 0 bottom
L20  DFE201610E-R47M=P2  [0806]  47.5,117.15 90 bottom
L21  SRN2512-2R2M  [1008]  48.25,121.75 270 bottom
L22  0402/0R/5%  [L0402]  124.5,139 270 bottom
L23  0402/0R/5%  [L0402]  122.75,168.5 110 bottom
L24  0402/0R/5%  [L0402]  16,125 0 bottom
L25  LQM2HPN2R2MG0L  [1008]  26.5,135.2 180 bottom
L26  LQM2HPN1R0MG0L  [1008]  29.5,135.5 270 bottom
L27  LQM2HPN2R2MG0L  [1008]  36,134 270 bottom
L28  BLM18KG121TN1D  [WUERTH-0805]  210.5,174.75 0 bottom
L29  DFE201610E-R47M=P2  [0806]  179.5,117.15 90 bottom
L30  SRN2512-2R2M  [1008]  180.25,121.75 270 bottom
L31  0402/0R/5%  [L0402]  256.5,139 270 bottom
L32  0402/0R/5%  [L0402]  254.75,168.5 110 bottom
L33  0402/0R/5%  [L0402]  148,125 0 bottom
L34  LQM2HPN2R2MG0L  [1008]  158.5,135.2 180 bottom
L35  LQM2HPN1R0MG0L  [1008]  161.5,135.5 270 bottom
L36  LQM2HPN2R2MG0L  [1008]  168,134 270 bottom
L37  BLM18KG121TN1D  [WUERTH-0805]  78.5,264.75 0 bottom